# Altium PCB STB_LightBoard.PcbDoc (part 13 of 31) (continued)
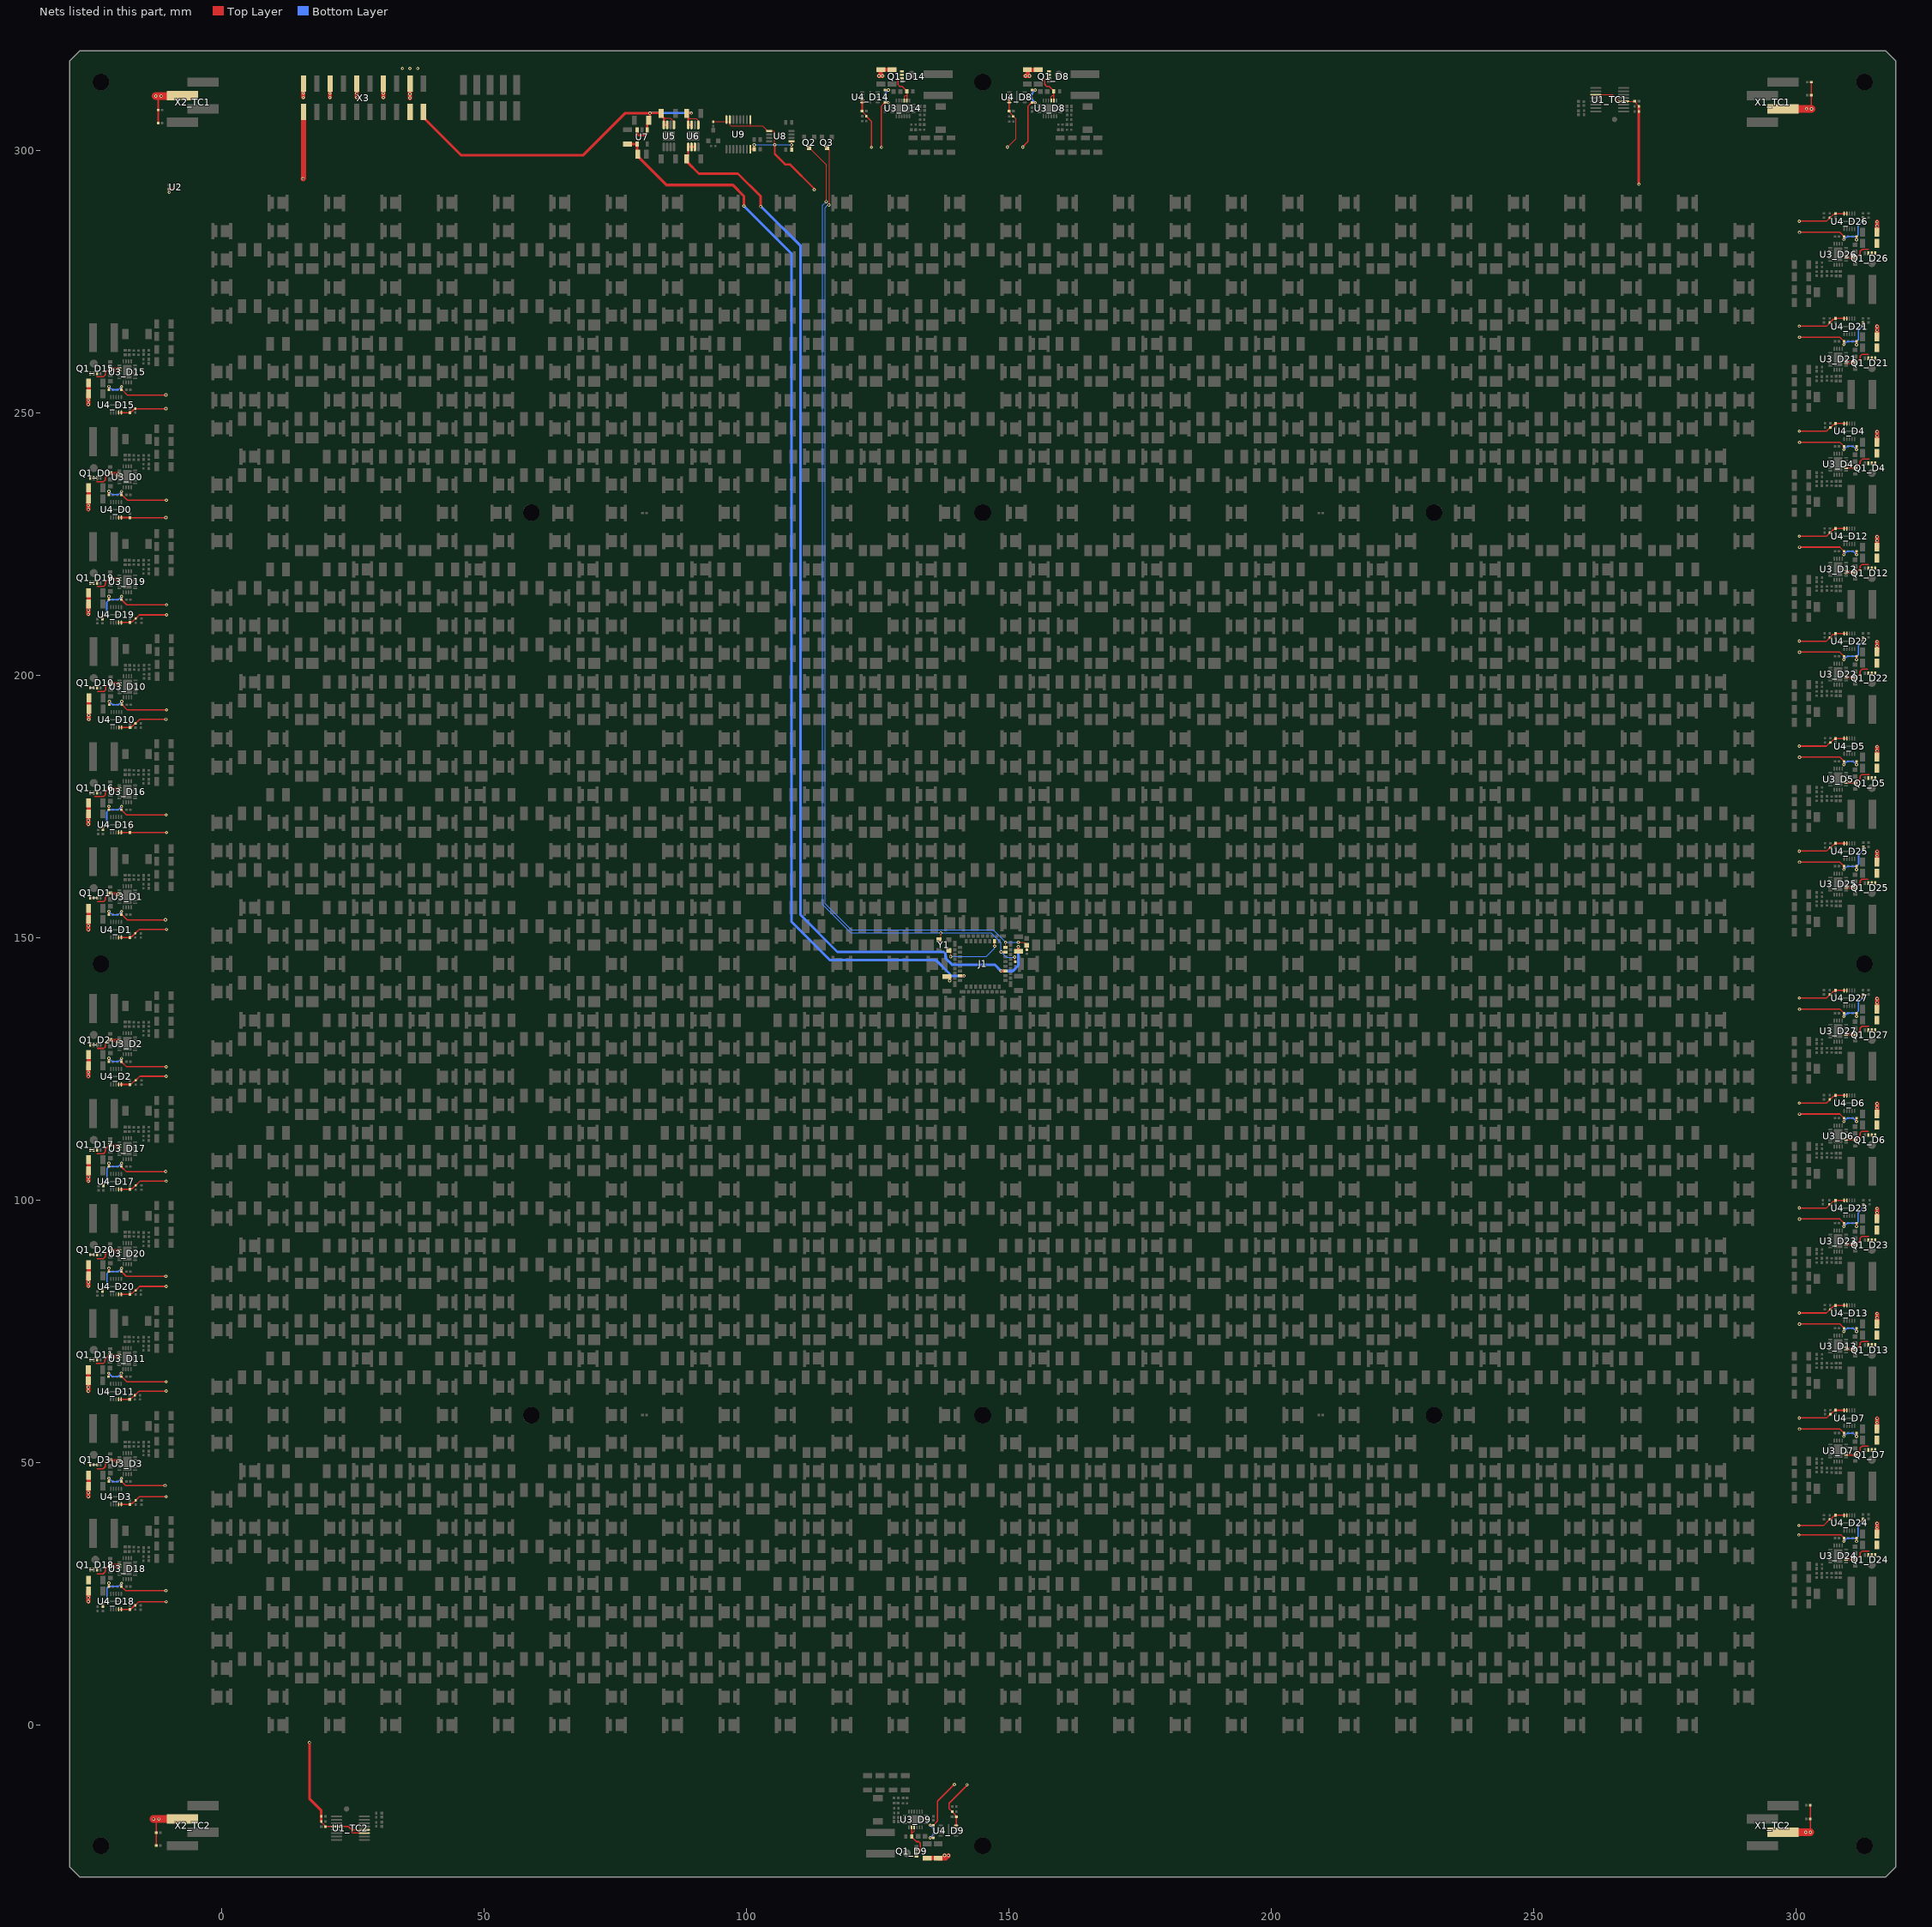
[diagram p13: the nets of this part, all layers, seen from the top]
## Part data (continued)
U7: library part CMP-0063-01102-3, "2MHz, 600mA Step-Down DC-DC Converter, 5-pin SOT-23, Pb-Free", Manufacturer="Texas Instruments", Max Input Voltage=5.5V, Max Operating Temperature=85°C, Max Output Current=1.2A, Min Input Voltage=2.7V, Min Operating Temperature=-30°C, Nominal Input Voltage=3.6V, Package Body Material=Plastic, Package Code=LSSOP, Package Equivalence Code=TSOP5/6,.11,37, Package Shape=Rectangular, Package Style="SMALL OUTLINE, LOW PROFILE, SHRINK PITCHMeter", PackageTopMarking=SLRB*XTT, Peak Reflow Temperature (Cel)=260°C, PowerWise=Y, Supplier Part Number 1=LM3674MF-1.2/NOPBDKR-ND, Switching Frequency-Max=2.6MHz, Temperature Grade=OTHER, Time @ Peak Reflow Temperature-Max (s)=40s, Analog IC - Other Type="SWITCHING REGULATOR", Category="Voltage Regulators - Switching", ComponentLink1Description="Datasheet URL", ComponentLink1URL=http://www.ti.com/general/docs/lit/getliterature.tsp?genericPartNumber=LM3674&fileType=pdf, ComponentLink2Description=https://datasheet.ciiva.com:443/pdfs/VipMasterIC/IC/NATL/NATLS08395/NATLS08395-1.pdf?src-supplier=IHS+Markit, ComponentLink2URL=https://datasheet.ciiva.com:443/pdfs/VipMasterIC/IC/NATL/NATLS08395/NATLS08395-1.pdf?src-supplier=IHS+Markit, ComponentLink3Description=https://datasheet.ciiva.com/15113/getdatasheetpartid-143703-15113141.pdf?src-supplier=Verical, ComponentLink3URL=https://datasheet.ciiva.com/15113/getdatasheetpartid-143703-15113141.pdf?src-supplier=Verical, ComponentLink4Description=https://datasheet.ciiva.com/3220/lm3674-3220103.pdf?src-supplier=Avnet, ComponentLink4URL=https://datasheet.ciiva.com/3220/lm3674-3220103.pdf?src-supplier=Avnet, ComponentLink5Description=https://datasheet.ciiva.com/28652/1882991-28652506.pdf?src-supplier=Element14, ComponentLink5URL=https://datasheet.ciiva.com/28652/1882991-28652506.pdf?src-supplier=Element14, ComponentLink6Description=https://datasheet.ciiva.com/6594/lm3674-6594229.pdf?src-supplier=Digi-Key, ComponentLink6URL=https://datasheet.ciiva.com/6594/lm3674-6594229.pdf?src-supplier=Digi-Key, CompType=MiscPower, Control Mode=VOLTAGE-MODE, Control Technique="PULSE WIDTH MODULATION", Height - Seated (Max)=1.22mm, JESD-30 Code=R-PDSO-G5, JESD-609 Code=e3, Length=2.92mm, Manufacturer Part Number=LM3674MF-1.2/NOPB, Moisture Sensitivity Level=1, Number of Functions=1, Number of Pins=5, PackageDescription="Molded SOT-23, .115 x .063 x .040 in Body, 5 Lead, .0375 in Pitch", PackageReference=DBV0005A, PinCount=5, Pricing 1="1=1.74000, 10=1.56500, 25=1.47600, 100=1.25760, 250=1.18084, 500=1.03324 (USD)", Qualification Status="Not Qualified", Reach SVHC Compliant=Yes, RoHS=Y, RoHS Compliant=Yes, Stock 1=3010, Supplier 1=Digi-Key, Surface Mount=Yes, Switcher Configuration=BUCK, Terminal Finish=Tin, Terminal Form="Gull Wing", Terminal Pitch=0.953mm, Terminal Position=DUAL, Width=1.6mm
U8: library part CMP-01310-1, "Level-Translating I2C Bus Buffer/Repeater 2-Channel Bi-Directional 0.8V to 3.6V 8-Pin VSSOP T/R", Case/Package=VSSOP, Manufacturer="Texas Instruments", Max Operating Temperature=85°C, Min Operating Temperature=-40°C, Supplier Part Number 1=296-47439-1-ND, Category="Integrated Circuits (ICs)", Channel Type=Bidirectional, ComponentLink1Description=http://www.ti.com/lit/ds/symlink/tca9800.pdf?src-supplier=Digi-Key, ComponentLink1URL=http://www.ti.com/lit/ds/symlink/tca9800.pdf?src-supplier=Digi-Key, Manufacturer Part Number=TCA9800DGKT, Mount="Surface Mount", Number of Circuits=1, Number of Outputs=2, Packaging="Cut Tape", Pricing 1="1=0.95000, 10=0.85000, 25=0.80640, 100=0.61920 (USD)", RoHS=No, Stock 1=4011, Supplier 1=Digi-Key
U9: library part CMP-04899-000065-1, "Bus Transceiver, AXC Series, 1-Func, 4-Bit, True Output, CMOS, PDSO16", Manufacturer="Texas Instruments", Supplier Part Number 1=296-SN74AXC4T774PWRDKR-ND, Category="Voltage Level Shifters", ComponentLink1Description=https://www.ti.com:443/lit/ds/symlink/sn74axc4t774.pdf?src-supplier=IHS+Markit, ComponentLink1URL=https://www.ti.com:443/lit/ds/symlink/sn74axc4t774.pdf?src-supplier=IHS+Markit, Manufacturer Part Number=SN74AXC4T774PWR, Pricing 1="1=1.36000, 10=1.21300, 25=1.15160, 100=0.94590, 250=0.88424, 500=0.78144, 1000=0.62080 (USD)", RoHS=Yes, Stock 1=4850, Supplier 1=Digi-Key
X1_TC1 X1_TC2 X2_TC1 X2_TC2: "Board Connector, 4 Contact(s), 1 Row(s), Male, Straight, 0.1 inch Pitch, Locking, Black Insulator, Plug", Contact Resistance=10mR, Dielectric Withstanding Voltage (AC)=750V, Insulation Color=Black, Insulation Resistance=5GR, Manufacturer="TE Connectivity", Manufacturer Part Number=3-647166-4, Manufacturer Series=647166, Max Operating Temperature=105°C, Min Operating Temperature=-55°C, Supplier Part Number 1=A110803-ND, Body Breadth=0.25inch, Body Depth=0.347inch, Body Length=0.4inch, Body/Shell Style=PLUG, Category=Connectors, ComponentLink1Description=https://datasheet.ciiva.com:443/pdfs/VipMasterIC/IC/TYEL/TYEL-S-A0008869674/TYEL-S-A0008865685-1.pdf?src-supplier=IHS+Markit, ComponentLink1URL=https://datasheet.ciiva.com:443/pdfs/VipMasterIC/IC/TYEL/TYEL-S-A0008869674/TYEL-S-A0008865685-1.pdf?src-supplier=IHS+Markit, ComponentLink2Description=https://datasheet.ciiva.com/16216/eng-ds-82056-mta-0608-16216388.pdf?src-supplier=Future+Electronics, ComponentLink2URL=https://datasheet.ciiva.com/16216/eng-ds-82056-mta-0608-16216388.pdf?src-supplier=Future+Electronics, ComponentLink3Description=https://datasheet.ciiva.com/9525/eng-ds-82056-mta-0608-9525559.pdf?src-supplier=Avnet, ComponentLink3URL=https://datasheet.ciiva.com/9525/eng-ds-82056-mta-0608-9525559.pdf?src-supplier=Avnet, Connector Type="BOARD CONNECTOR", Contact Finish - Mating="NOT SPECIFIED", Contact Gender=Male, Contact Pattern=RECTANGULAR, Contact Style="SQ PIN-SKT", DIN Conformance=No, Durability=25Cycles, Filter Feature=No, IEC Conformance=No, Insertion Force-Max=8.896N, Insulation Material=Nylon, JESD-609 Code=e3, Mating Contact Pitch=0.1inch, MIL Conformance=No, Mixed Contacts=No, Mount=Board, Mounting Option 1=LOCKING, Mounting Option 2="FRICTION LOCK", Mounting Style=STRAIGHT, Number Of Connectors=1, Number of Contacts=4, Number Of PCB Rows=2, Number of Rows Loaded=1, Option="General Purpose", PCB Contact Pattern=STAGGERED, PCB Contact Row Spacing=2.9972mm, Polarization Key="POLARIZED HOUSING", Pricing 1="1=2.42000, 10=2.10700, 100=1.88280, 500=1.56900, 1000=1.34485, 5000=1.19243 (USD)", Reach SVHC Compliant=Yes, Reference Standard=UL, Reliability=COMMERCIAL, RoHS=Yes, RoHS Compliant=Yes, Stock 1=3619, Supplier 1=Digi-Key, Terminal Pitch=2.54mm, Termination=SMD/SMT, Withdrawl Force-Min=3.614N
X3: library part CMP-1502-01036-1, "SMT Vertical Pin Header WR-PHD, Pitch 2.54 mm, Dual Row, 20 pins", Contact Resistance=20mOhm, Dielectric Withstanding Voltage (AC)=500V, Flammability Rating="UL94 V-0", Insulation Color=Black, Insulation Resistance=1GR, Manufacturer="Wurth Elektronik", Manufacturer Series=6100, Max Operating Temperature=125°C, Min Operating Temperature=-40°C, Operating Temperature=-40to125degC, Rated Current=3A, Supplier Part Number 1=732-5468-5-ND, Withstanding Voltage=500VAC, Working Voltage=250VAC, Body Breadth=0.2inch, Body Depth=0.142inch, Body Length=1inch, Body/Shell Style=RECEPTACLE, Category=Connectors, ComponentLink1Description=https://datasheet.ciiva.com:443/pdfs/VipMasterIC/IC/MIDC/MIDCS04347/MIDCS04347-1.pdf?src-supplier=IHS+Markit, ComponentLink1URL=https://datasheet.ciiva.com:443/pdfs/VipMasterIC/IC/MIDC/MIDCS04347/MIDCS04347-1.pdf?src-supplier=IHS+Markit, ComponentLink2Description=https://katalog.we-online.de/em/datasheet/6100xx21121.pdf?src-supplier=Digi-Key, ComponentLink2URL=https://katalog.we-online.de/em/datasheet/6100xx21121.pdf?src-supplier=Digi-Key, ComponentLink3Description=http://www.farnell.com/cad/1737271.pdf?src-supplier=Element14, ComponentLink3URL=http://www.farnell.com/cad/1737271.pdf?src-supplier=Element14, Connector Type="BOARD CONNECTOR", Contact Finish - Mating=GOLD, Contact Finish - Termination="Gold (Au) - with Nickel (Ni) barrier", Contact Gender=Male, Contact Material="Copper Alloy", Contact Pattern=RECTANGULAR, Contact Style="SQ PIN-SKT", Datasheet URL=https://katalog.we-online.de/em/datasheet/6100xx21121.pdf, DIN Conformance=No, Filter Feature=No, Gender=Male, IEC Conformance=No, Insulation Material=Polyamide, JESD-609 Code=e4, Manufacturer Part Number=61002021121, Manufacturer URL=http://www.we-online.de, Mating Contact Pitch=0.1inch, Mating Contact Row Spacing=0.1inch, MIL Conformance=No, Mixed Contacts=No, Mount=Board, Mounting Option 1=LOCKING, Mounting Style=STRAIGHT, Mounting Technology=SMT, Number Of Connectors=1, Number of Contacts=20, Number Of PCB Rows=2, Number of Rows Loaded=2, Option="General Purpose", Orientation=Vertical, Package Reference=61002021121, Packaging=Tube, Part Number=61002021121, PCB Contact Pattern=RECTANGULAR, PCB Contact Row Spacing=5.4102mm, Pin Number=20, Pitch=2.54mm, Pricing 1="1=3.72000, 10=3.15900, 24=2.63208, 48=2.19292, 96=1.99302, 192=1.81302 (USD)", Publisher=WurthElektronik, Rated Current (Signal)=3A, REACH SVHC=Yes, Reference Standard=UL, Reliability=COMMERCIAL, RoHS=Yes, RoHS Compliant=Yes, Row Number=Dual, Stock 1=578, Supplier 1=Digi-Key, Terminal Pitch=2.54mm, Termination=SMD/SMT
X4: library part CMP-1707-00003-3, "Male Header, Pitch 2.54 mm, 2 x 5 Position, Height 9.65 mm, -55 to 105 degC, RoHS, Tape and Reel", Insulation Color=Black, Manufacturer=Samtec, Manufacturer Series=TSM, Max Operating Temperature="105 degC", Min Operating Temperature="-55 degC", Supplier Part Number 1=SAM15490DKR-ND, Body Breadth=0.2inch, Body/Shell Style=RECEPTACLE, Category="Headers and Wire Housings", ComponentLink1Description="Manufacturer URL", ComponentLink1URL=http://www.samtec.com/, ComponentLink2Description=Datasheet, ComponentLink2URL=http://suddendocs.samtec.com/catalog_english/tsm.pdf, ComponentLink3Description="Package Specification", ComponentLink3URL=http://suddendocs.samtec.com/prints/tsm-dv-footprint.pdf, ComponentLink4Description=https://datasheet.ciiva.com:443/pdfs/VipMasterIC/IC/SAMI/SAMI-S-A0001470581/SAMI-S-A0001470581-1.pdf?src-supplier=IHS+Markit, ComponentLink4URL=https://datasheet.ciiva.com:443/pdfs/VipMasterIC/IC/SAMI/SAMI-S-A0001470581/SAMI-S-A0001470581-1.pdf?src-supplier=IHS+Markit, ComponentLink5Description=http://www.farnell.com/datasheets/2186767.pdf?src-supplier=Farnell, ComponentLink5URL=http://www.farnell.com/datasheets/2186767.pdf?src-supplier=Farnell, ComponentLink6Description=http://components.arrow.com/part/dataview/2684870S6011475N1004?src-supplier=Arrow+Electronics, ComponentLink6URL=http://components.arrow.com/part/dataview/2684870S6011475N1004?src-supplier=Arrow+Electronics, ComponentLink7Description=http://suddendocs.samtec.com/prints/tsm-1xx-xx-xxx-xx-x-xxx-x-mkt.pdf?src-supplier=Digi-Key, ComponentLink7URL=http://suddendocs.samtec.com/prints/tsm-1xx-xx-xxx-xx-x-xxx-x-mkt.pdf?src-supplier=Digi-Key, ComponentLink8Description=http://www.samtec.com/documents/webfiles/pdf/TSM.PDF?src-supplier=Avnet, ComponentLink8URL=http://www.samtec.com/documents/webfiles/pdf/TSM.PDF?src-supplier=Avnet, Connector Type="BOARD CONNECTOR", Contact Finish - Mating="MATTE TIN OVER NICKEL (50)", Contact Finish - Termination="Tin (Sn) - with Nickel (Ni) barrier", Contact Gender=Male, Contact Material=Bronze, Contact Pattern=RECTANGULAR, Contact Style="SQ PIN-SKT", DatasheetVersion="Rev. 31DEC15", DIN Conformance=No, Filter Feature=No, Height="9.65 mm", IEC Conformance=No, Insulation Material=Polymer, JESD-609 Code=e3, Length="12.7 mm", Manufacturer Part Number=TSM-105-01-T-DV-TR, Mating Contact Pitch=0.1inch, Mating Contact Row Spacing=0.1inch, Mating Information="MULTIPLE MATING PARTS AVAILABLE", MIL Conformance=No, Mixed Contacts=No, Mount="Surface Mount", Mounting Option 1=LOCKING, Mounting Style=STRAIGHT, Mounting Technology="Surface Mount", Number Of Connectors=1, Number of Contacts=10, Number Of PCB Rows=2, Number of Rows Loaded=2, Option="General Purpose", PackageDescription="Male Header, Pitch 2.54 mm, 2 x 5 Position, Height 9.65 mm", Packaging="Tape and Reel", PartNumber=TSM-105-01-T-DV-TR, PCB Contact Pattern=RECTANGULAR, Pins=10, Pricing 1="1=1.29000, 10=1.08900, 100=0.97770 (USD)", Radiation Hardening=No, REACH SVHC="No SVHC", Reach SVHC Compliant=Yes, Reference Standard=UL, Reliability=COMMERCIAL, RoHS=Yes, RoHS Compliant=Yes, RoHSCompliant=True, Stock 1=302, Supplier 1=Digi-Key, Terminal Pitch=2.54mm, Termination=SMD/SMT
Y1: library part CMP-27762-000017-1, "MEMS OSC XO 25.0000MHZ CMOS SMD", Frequency=25MHz, Load Capacitance=15pF, Manufacturer=Abracon, Max Junction Temp=+150°C, Max Operating Temperature=85°C, Max Supply Current=15mA, Max Supply Voltage=3.3V, Min Operating Temperature=-40°C, Min Supply Voltage=1.8V, Operating Frequency-Max=150kHz, Operating Frequency-Min=1kHz, Operating Frequency-Nom=250, Package=ASEMB, Package Body Material=Plastic, Power Supplies=1.8/3.3V, Supplier Part Number 1=535-11750-6-ND, Temperature="-40°C to +85°C", Temperature Range High=+85°C, Automotive=No, Category=Crys, ComponentLink1Description=https://datasheet.ciiva.com:443/pdfs/VipMasterIC/IC/ABRC/ABRCS03128/ABRCS03128-1.pdf?src-supplier=IHS+Markit, ComponentLink1URL=https://datasheet.ciiva.com:443/pdfs/VipMasterIC/IC/ABRC/ABRCS03128/ABRCS03128-1.pdf?src-supplier=IHS+Markit, ComponentLink2Description=Datasheet, ComponentLink2URL=https://abracon.com/Oscillators/ASEMB.pdf, ComponentLink3Description=https://datasheet.ciiva.com/868/asemb-868320.pdf?src-supplier=Digi-Key, ComponentLink3URL=https://datasheet.ciiva.com/868/asemb-868320.pdf?src-supplier=Digi-Key, ComponentLink4Description=https://datasheet.ciiva.com/868/asemb-868318.pdf?src-supplier=Digi-Key, ComponentLink4URL=https://datasheet.ciiva.com/868/asemb-868318.pdf?src-supplier=Digi-Key, ComponentLink5Description=https://datasheet.ciiva.com/868/asemb-868319.pdf?src-supplier=Digi-Key, ComponentLink5URL=https://datasheet.ciiva.com/868/asemb-868319.pdf?src-supplier=Digi-Key, Device Class L1="Passive Components", Device Class L2="Crystals / Oscillators", Device Class L3=Oscillators, Digikey Description="MEMS OSC XO 25.0000MHZ CMOS SMD", Footprint Url=https://abracon.com/Support/PackageDrawing/Oscillators/ASEMB.PDF, Height=0.9mm, JESD-609 Code=e4, Lead Free=Yes, Manufacturer Part Number=ASEMB-25.000MHZ-LC-T, Mount="Surface Mount", Mouser Description="Standard Clock Oscillators 25.000MHZ 50ppm -40 + 85C", Number of Pins=4, Octopart=https://octopart.com/asemb-25.000mhz-lc-t-abracon-21704580, Pricing 1="1=2.48000, 10=2.41800, 50=2.30280, 100=2.01500, 500=1.95738 (USD)", Qualification Status="Not Qualified", Reach SVHC Compliant=Yes, RoHS=TRUE, RoHS Compliant=Yes, Series=ASEMB, Stability=50ppm, Stock 1=1318, Supplier 1=Digi-Key, Technology=CMOS, Temperature Range Low=-40°C, Terminal Finish=Nickel

## Free pads (board coordinates)
  round 3.2 hole 3.2 unplated: 6(-23,-23) 6(-23,145) 6(-23,313) 6(59,59) 6(59,231) 6(145,59) 6(145,231) 6(145,-23) 6(145,313) 6(231,59) 6(231,231) 6(313,-23) 6(313,145) 6(313,313)

## Via types
v1: diameter 0.604, hole 0.3, Top Layer to Bottom Layer, tented both sides, 2553 vias

## Nets (pads, with @x,y where several pads share a name; then routed paths per layer and width w, separated by ;. In a path a pad name is that pad's centre, name@x,y a point inside that pad or via, vN(x,y) a via of type N, cw(c..) or ccw(c..) an arc to the next point about the centre after c; other vN are vias at no path point)
3V3: C1_TC1.2 C1_TC2.2 C4.2 C14_D0.2 C14_D1.2 C14_D2.2 C14_D3.2 C14_D4.2 C14_D5.2 C14_D6.2 C14_D7.2 C14_D8.2 C14_D9.2 C14_D10.2 C14_D11.2 C14_D12.2 C14_D13.2 C14_D14.2 C14_D15.2 C14_D16.2 C14_D17.2 C14_D18.2 C14_D19.2 C14_D20.2 C14_D21.2 C14_D22.2 C14_D23.2 C14_D24.2 C14_D25.2 C14_D26.2 C14_D27.2 C24.1 C30.1 R1.2 R2.2 R3.2 R6.2 R7.2 R8.2 R12.2 R13.2 R14.2 R15.2 R20.2 R22.2 R23.2 R24.2 R28.2 R29.2 R30.2 R31.2 R36.2 R37.2 R40.2 R42.2 R48_TC1.2 R48_TC2.2 R49_TC1.2 R49_TC2.2 R56_D0.2 R56_D1.2 R56_D2.2 R56_D3.2 R56_D4.2 R56_D5.2 R56_D6.2 R56_D7.2 R56_D8.2 R56_D9.2 R56_D10.2 R56_D11.2 R56_D12.2 R56_D13.2 R56_D14.2 R56_D15.2 R56_D16.2 R56_D17.2 R56_D18.2 R56_D19.2 R56_D20.2 R56_D21.2 R56_D22.2 R56_D23.2 R56_D24.2 R56_D25.2 R56_D26.2 R56_D27.2 R57_D0.2 R57_D1.2 R57_D2.2 R57_D3.2 R57_D4.2 R57_D5.2 R57_D6.2 R57_D7.2 R57_D8.2 R57_D9.2 R57_D10.2 R57_D11.2 R57_D12.2 R57_D13.2 R57_D14.2 R57_D15.2 R57_D16.2 R57_D17.2 R57_D18.2 R57_D19.2 R57_D20.2 R57_D21.2 R57_D22.2 R57_D23.2 R57_D24.2 R57_D25.2 R57_D26.2 R57_D27.2 R61.2 R62.2 R65.2 R66.2 R69.2 R70.2 R71.2 R72.2 R77.2 R78.2 R79.2 R80.2 R85.2 R87.2 R89.2 R91.2 R95.1 U1_TC1.3 U1_TC1.12 U1_TC2.3 U1_TC2.4 U1_TC2.12 U2.A1 U4_D0.4 U4_D0.5 U4_D1.4 U4_D1.5 U4_D2.4 U4_D2.5 U4_D3.4 U4_D3.5 U4_D4.4 U4_D4.5 U4_D5.4 U4_D5.5 U4_D6.4 U4_D6.5 U4_D7.4 U4_D7.5 U4_D8.4 U4_D8.5 U4_D9.4 U4_D9.5 U4_D10.4 U4_D10.5 U4_D11.4 U4_D11.5 U4_D12.4 U4_D12.5 U4_D13.4 U4_D13.5 U4_D14.4 U4_D14.5 U4_D15.4 U4_D15.5 U4_D16.4 U4_D16.5 U4_D17.4 U4_D17.5 U4_D18.4 U4_D18.5 U4_D19.4 U4_D19.5 U4_D20.4 U4_D20.5 U4_D21.4 U4_D21.5 U4_D22.4 U4_D22.5 U4_D23.4 U4_D23.5 U4_D24.4 U4_D24.5 U4_D25.4 U4_D25.5 U4_D26.4 U4_D26.5 U4_D27.4 U4_D27.5 U8.1 U8.5 U9.1 U9.7 U9.8 U9.16 X3.1 | length 796.5
  Top Layer w0.152: U9.7@96.719,305.45 96.825,305.556 U9.7@96.825,305.875 ; U8.1@103.801,303.897 103.801,303.849 103.95,303.7 U8.1@104.3,303.7
  Top Layer w0.2: C4.2@-10.002,292.622 -10.001,292.621 -10.001,292.001 v1(-10,292) ; C4.2@-9.976,292.604 -10.002,292.63 -9.842,292.79 -9.02,292.79 U2.A1@-9.016,292.794 ; R48_TC2.2@18.972,-18.385 18.978,-18.391 19.097,-18.51 19.097,-18.585 19.352,-18.84 19.361,-18.84 19.577,-19.055 19.577,-19.192 19.737,-19.352 C1_TC2.2@19.757,-19.352 ; R95.1@93.65,305.45 U9.7@96.719,305.45 ; U9.7@96.825,305.556 96.825,304.875 97.06,304.64 100.725,304.64 ; U9.16@100.725,300.225 101.425,300.225 C30.1@101.45,300.25 v1(101.45,301.05) ; U9.1@100.725,305.875 100.725,304.64 ; U8.1@103.801,303.897 103.058,304.64 100.725,304.64 ; U8.1@104.3,303.7 105.15,303.7 105.375,303.475 v1(105.375,301.075) ; U8.5@108.55,301.75 108.55,300.175 C24.1@108.6,300.125 ; 122.043,307.775 122.043,307.376 122.179,307.376 122.215,307.34 122.215,307.204 122.701,306.718 122.701,306.643 R20.2@122.826,306.518 ; v1(149.702,300.625) 151.333,302.255 151.333,305.995 150.847,306.481 R36.2@150.822,306.481 150.797,306.481 150.672,306.606 150.672,306.746 150.215,307.204 150.215,307.34 150.055,307.5 C14_D8.2@150.035,307.5 ; U1_TC1.3@261.815,310.608 264.97,310.608 266.24,309.338 U1_TC1.12@267.115,309.338 267.121,309.345 269.27,309.345 269.423,309.192 269.423,308.996 269.705,308.714 269.705,308.708 R48_TC1.2@270.028,308.385
  Top Layer w0.254: R66.2@-22.7,82.6 v1(-22.7,83.2) ; R65.2@-22.7,210.7 v1(-22.7,211.4) ; R6.2@-22.655,22.54 v1(-22.655,23.155) ; R7.2@-22.622,170.538 v1(-22.622,171.078) ; R8.2@-22.553,102.669 v1(-22.553,103.247) ; R56_D11.2@-21.542,66.389 -21.533,66.398 -21.533,67.009 v1(-21.524,67.018) ; R56_D18.2@-21.5,26.389 -21.491,26.398 -21.491,27.009 v1(-21.482,27.018) ; R56_D3.2@-21.5,46.389 -21.491,46.398 -21.491,47.009 v1(-21.482,47.018) ; R56_D20.2@-21.5,86.389 -21.491,86.398 -21.491,87.009 v1(-21.482,87.018) ; R56_D17.2@-21.5,106.389 -21.491,106.398 -21.491,107.009 v1(-21.482,107.018) ; R56_D2.2@-21.5,126.389 -21.491,126.398 -21.491,127.009 v1(-21.482,127.018) ; R56_D1.2@-21.5,154.389 -21.491,154.398 -21.491,155.009 v1(-21.482,155.018) ; R56_D16.2@-21.5,174.389 -21.491,174.398 -21.491,175.009 v1(-21.482,175.018) ; R56_D19.2@-21.5,214.389 -21.491,214.398 -21.491,215.009 v1(-21.482,215.018) ; R56_D0.2@-21.5,234.389 -21.491,234.398 -21.491,235.009 v1(-21.482,235.018) ; R56_D15.2@-21.5,254.389 -21.491,254.398 -21.491,255.009 v1(-21.482,255.018) ; R56_D10.2@-21.442,194.389 -21.433,194.398 -21.433,195.009 v1(-21.424,195.018) ; U4_D11.4@-19.667,62.05 -19.667,62.044 -19.665,62.043 -17.549,62.043 C14_D11.2@-17.542,62.035 -17.542,62.055 -17.409,62.188 -17.316,62.188 -17.248,62.256 -17.166,62.256 -16.7,62.722 -16.632,62.722 R14.2@-16.534,62.82 -15.733,63.621 v1(-10.592,63.621) ; U4_D18.4@-19.625,22.05 -19.625,22.045 -19.623,22.042 -17.508,22.042 C14_D18.2@-17.5,22.035 -17.5,22.055 -17.367,22.188 -17.192,22.188 -16.566,22.815 R1.2@-16.566,22.821 ; U4_D3.4@-19.625,42.05 -19.625,42.044 -19.623,42.043 -17.508,42.043 C14_D3.2@-17.5,42.035 ; U4_D20.4@-19.625,82.05 -19.625,82.045 -19.623,82.043 -17.508,82.043 C14_D20.2@-17.5,82.035 ; U4_D17.4@-19.625,102.05 -19.625,102.045 -19.623,102.042 -17.508,102.042 C14_D17.2@-17.5,102.035 ; U4_D2.4@-19.625,122.05 -19.625,122.044 -19.623,122.042 -17.508,122.042 C14_D2.2@-17.5,122.035 -17.5,122.055 -17.367,122.188 -17.151,122.188 R24.2@-16.553,122.786 ; U4_D1.4@-19.625,150.05 -19.625,150.045 -19.623,150.042 -17.508,150.042 C14_D1.2@-17.5,150.035 -17.5,150.055 -17.367,150.188 -17.113,150.188 -16.964,150.337 -16.964,150.363 -16.801,150.527 -16.752,150.527 -16.558,150.721 -16.558,150.725 -16.464,150.819 R23.2@-16.46,150.819 ; U4_D16.4@-19.625,170.05 -19.625,170.044 -19.623,170.042 v1(-10.508,170.042) v1@-10.443,170.042 ; U4_D19.4@-19.625,210.05 -19.625,210.045 -19.623,210.043 -17.508,210.043 C14_D19.2@-17.508,210.047 ; U4_D0.4@-19.625,230.05 -19.625,230.045 -19.623,230.042 -17.508,230.042 C14_D0.2@-17.5,230.035 v1(-10.635,230.035) ; U4_D15.4@-19.625,250.05 -19.625,250.044 -19.623,250.042 -17.508,250.042 C14_D15.2@-17.5,250.035 -17.5,250.055 -17.367,250.188 -17.192,250.188 -16.723,250.658 R2.2@-16.553,250.658 ; U4_D10.4@-19.567,190.05 -19.567,190.044 -19.565,190.043 -17.45,190.043 C14_D10.2@-17.442,190.035 -17.442,190.055 -17.309,190.188 -17.124,190.188 -16.597,190.715 -16.514,190.715 R13.2@-16.416,190.813 -15.631,191.599 -10.645,191.599 v1(-10.619,191.625) ; v1(-19.131,67.001) -19.149,66.983 -19.149,66.407 R57_D11.2@-19.167,66.389 -19.069,66.291 -18.958,66.291 -18.067,65.4 v1(-10.6,65.4) ; R57_D20.2@-19.125,86.389 -19.107,86.407 -19.107,86.983 v1(-19.089,87.001) ; R57_D2.2@-19.125,126.378 -19.09,126.378 -19.002,126.291 -19.002,126.255 -18.147,125.4 v1(-10.6,125.4) ; R57_D2.2@-19.125,126.389 -19.107,126.407 -19.107,126.983 v1(-19.089,127.001) ; R57_D16.2@-19.125,174.382 -19.093,174.382 -19.002,174.291 -19.002,174.259 -18.143,173.4 v1(-10.6,173.4) ; R57_D16.2@-19.125,174.389 -19.107,174.407 -19.107,174.983 v1(-19.089,175.001) ; R57_D15.2@-19.125,254.389 -19.107,254.407 -19.107,254.983 v1(-19.089,255.001) ; R57_D20.2@-19.1,86.389 -18.198,85.487 v1(-10.638,85.487) ; R57_D15.2@-19.1,254.389 -19.002,254.291 -18.897,254.291 -18.006,253.4 -10.648,253.4 v1(-10.641,253.407) ; v1(-19.089,27.001) -19.107,26.983 -19.107,26.396 -18.304,25.593 -10.636,25.593 v1(-10.617,25.612) ; v1(-19.089,47.001) -19.107,46.983 -19.107,46.407 R57_D3.2@-19.125,46.389 -19.1,46.389 -18.764,46.052 -18.752,46.052 -18.3,45.6 v1(-10.8,45.6) ; v1(-19.089,107.001) -19.107,106.983 -19.107,106.407 R57_D17.2@-19.125,106.389 -19.1,106.389 -19.002,106.291 -19.002,106.24 -18.21,105.447 v1(-10.647,105.447) ; v1(-19.089,155.001) -19.107,154.983 -19.107,154.501 -17.992,153.386 v1@-10.714,153.386 ; v1(-19.089,215.001) -19.107,214.983 -19.107,214.407 R57_D19.2@-19.125,214.389 -19.1,214.389 -18.111,213.4 v1(-10.508,213.4) ; v1(-19.089,235.001) -19.107,234.983 -19.107,234.407 R57_D0.2@-19.125,234.389 -19.027,234.291 -18.933,234.291 -18.018,233.377 -10.553,233.377 v1(-10.53,233.354) ; v1(-19.031,195.001) -19.049,194.983 -19.049,194.407 R57_D10.2@-19.067,194.389 -18.969,194.291 -18.897,194.291 -17.983,193.377 -10.531,193.377 v1(-10.508,193.4) ; C14_D3.2@-17.5,42.055 -17.367,42.188 -17.057,42.188 -16.741,42.504 -16.647,42.504 -16.498,42.653 -16.498,42.702 R22.2@-16.4,42.8 -15.7,43.5 v1(-10.6,43.5) ; C14_D20.2@-17.5,82.055 -17.367,82.188 -17.093,82.188 -16.579,82.702 -16.498,82.702 -16.412,82.788 R62.2@-16.412,82.812 ; C14_D17.2@-17.5,102.055 -17.367,102.188 -17.061,102.188 -16.547,102.702 -16.498,102.702 R3.2@-16.4,102.8 -15.6,103.6 v1(-10.6,103.6) ; C14_D19.2@-17.5,210.035 -17.5,210.042 -17.367,210.175 -17.053,210.175 -16.904,210.324 -16.904,210.341 -16.741,210.504 -16.708,210.504 R61.2@-16.51,210.702 ; R23.2@-16.46,150.823 -15.683,151.6 v1(-10.508,151.6) ; R2.2@-16.455,250.781 -16.449,250.787 -10.621,250.787 v1(-10.615,250.793) ; R1.2@-16.454,22.804 -15.758,23.5 v1(-10.6,23.5) ; R62.2@-16.4,82.8 -15.636,83.564 v1(-10.6,83.564) ; R24.2@-16.4,122.8 -15.6,123.6 v1(-10.6,123.6) ; R61.2@-16.4,210.8 -15.7,211.5 v1(-10.508,211.5) ; C1_TC2.2@19.757,-19.352 19.764,-19.345 21.879,-19.345 U1_TC2.12@21.885,-19.338 24.138,-19.338 24.8,-20 ; U1_TC2.4@26.8,-20 24.8,-20 ; U1_TC2.3@27.185,-20.608 27.167,-20.59 24.949,-20.59 24.8,-20.441 24.8,-20 ; 122.043,307.775 122.043,309.623 122.045,309.625 U4_D14.4@122.05,309.625 ; R20.2@122.826,306.518 123.8,305.544 v1(123.8,300.6) ; v1@125.706,300.606 125.706,308.457 126.251,309.002 126.291,309.002 126.374,309.086 R57_D14.2@126.374,309.125 ; R56_D14.2@126.389,311.5 126.398,311.491 127.009,311.491 v1(127.018,311.482) ; R57_D14.2@126.396,309.107 126.983,309.107 v1(127.001,309.089) ; v1(134.982,-21.482) 134.991,-21.491 135.602,-21.491 R56_D9.2@135.611,-21.5 ; v1(134.999,-19.089) 135.017,-19.107 135.604,-19.107 136.4,-18.311 136.4,-14.5 139.581,-11.319 v1(139.597,-11.319) ; U4_D9.4@139.95,-19.625 139.956,-19.625 139.957,-19.623 139.957,-17.338 139.476,-16.857 139.476,-16.848 139.278,-16.65 139.278,-16.608 R37.2@139.18,-16.51 138.6,-15.93 138.6,-14.9 142,-11.5 v1(142,-11.4) ; C14_D8.2@150.035,307.5 150.043,307.508 150.043,309.623 150.044,309.625 U4_D8.4@150.05,309.625 ; v1(152.649,300.644) 152.649,300.688 153.594,301.633 153.594,308.375 154.031,308.812 154.031,308.847 154.186,309.002 154.291,309.002 154.389,309.1 R57_D8.2@154.389,309.125 154.407,309.107 154.983,309.107 v1(155.001,309.089) ; R56_D8.2@154.389,311.5 154.398,311.491 155.009,311.491 v1(155.018,311.482) ; v1(300.5,38.01) 300.51,38 305.2,38 306.4,39.2 R69.2@306.4,39.225 ; v1@300.507,36.193 308.567,36.193 309.002,35.758 309.002,35.709 309.076,35.635 R57_D24.2@309.125,35.635 ; v1(300.6,58.5) 305.758,58.5 R28.2@306.454,59.196 ; v1(300.6,78.5) 305.758,78.5 R12.2@306.454,79.196 ; v1(300.6,98.5) 305.758,98.5 307.07,99.812 307.367,99.812 307.507,99.952 307.507,99.957 309.623,99.957 309.625,99.956 U4_D23.4@309.625,99.95 ; v1(300.6,118.5) 305.758,118.5 307.07,119.812 307.367,119.812 307.5,119.945 C14_D6.2@307.5,119.965 307.507,119.958 309.623,119.958 309.625,119.956 U4_D6.4@309.625,119.95 ; v1(300.6,138.5) 305.758,138.5 306.454,139.196 306.454,139.254 306.498,139.298 306.604,139.298 307.118,139.812 307.367,139.812 307.5,139.945 C14_D27.2@307.5,139.965 307.507,139.958 309.623,139.958 309.625,139.955 U4_D27.4@309.625,139.95 ; v1(300.6,166.5) 305.758,166.5 306.454,167.196 306.496,167.196 R40.2@306.5,167.2 306.598,167.298 306.678,167.298 307.192,167.812 307.367,167.812 307.507,167.952 307.507,167.957 309.623,167.957 309.625,167.955 U4_D25.4@309.625,167.95 ; v1(300.6,186.5) 305.758,186.5 306.454,187.196 306.496,187.196 R30.2@306.5,187.2 306.598,187.298 306.661,187.298 307.175,187.812 307.367,187.812 307.507,187.952 307.507,187.957 309.623,187.957 309.625,187.955 U4_D5.4@309.625,187.95 ; v1(300.6,206.5) 305.758,206.5 R71.2@306.454,207.196 ; v1(300.6,226.5) 305.758,226.5 306.454,227.196 R15.2@306.454,227.199 ; v1(300.6,246.5) 305.758,246.5 306.333,247.075 306.42,247.075 306.522,247.178 307.157,247.812 307.367,247.812 307.5,247.945 C14_D4.2@307.5,247.965 307.507,247.958 309.623,247.958 309.625,247.956 U4_D4.4@309.625,247.95 ; v1(300.6,266.5) 305.758,266.5 R70.2@306.454,267.196 ; v1(300.6,286.5) 305.758,286.5 R85.2@306.454,287.196 ; v1@300.636,56.407 308.304,56.407 R57_D7.2@309.107,55.604 ; v1@300.636,76.407 308.304,76.407 R57_D13.2@309.107,75.604 ; v1@300.636,96.407 308.304,96.407 R57_D23.2@309.107,95.604 ; v1@300.636,116.407 308.304,116.407 R57_D6.2@309.107,115.604 ; v1@300.636,136.407 308.304,136.407 R57_D27.2@309.107,135.604 ; v1@300.636,164.407 308.304,164.407 R57_D25.2@309.107,163.604 ; v1@300.636,184.407 308.304,184.407 R57_D5.2@309.107,183.604 ; v1@300.636,204.407 308.304,204.407 R57_D22.2@309.107,203.604 ; v1@300.636,224.407 308.304,224.407 R57_D12.2@309.107,223.604 ; v1@300.636,244.407 308.304,244.407 R57_D4.2@309.107,243.604 ; v1@300.636,264.407 308.304,264.407 R57_D21.2@309.107,263.604 ; v1@300.636,284.407 308.304,284.407 R57_D26.2@309.107,283.604 ; R71.2@306.4,207.2 306.498,207.298 306.538,207.298 306.736,207.496 306.741,207.496 307.057,207.812 307.367,207.812 307.507,207.952 307.507,207.957 309.623,207.957 309.625,207.956 U4_D22.4@309.625,207.95 ; R70.2@306.4,267.2 306.498,267.298 306.543,267.298 307.057,267.812 307.367,267.812 307.5,267.945 C14_D21.2@307.5,267.965 307.507,267.958 309.623,267.958 309.625,267.955 U4_D21.4@309.625,267.95 ; R85.2@306.4,287.2 R85.2@306.492,287.292 ; R15.2@306.428,227.173 R15.2@306.454,227.199 ; R12.2@306.468,79.185 306.566,79.283 306.61,79.283 307.14,79.812 307.367,79.812 307.507,79.952 307.507,79.957 309.623,79.957 309.625,79.956 U4_D13.4@309.625,79.95 ; R85.2@306.492,287.18 R85.2@306.492,287.292 ; R69.2@306.498,39.348 306.704,39.348 307.168,39.812 307.367,39.812 307.507,39.952 307.507,39.958 309.623,39.958 309.625,39.955 U4_D24.4@309.625,39.95 ; R28.2@306.5,59.2 306.598,59.298 306.643,59.298 307.157,59.812 307.367,59.812 307.5,59.945 C14_D7.2@307.5,59.965 307.507,59.958 309.623,59.958 309.625,59.955 U4_D7.4@309.625,59.95 ; v1(309.089,34.999) 309.107,35.017 309.107,35.593 R57_D24.2@309.125,35.611 ; v1(309.089,54.999) 309.107,55.017 309.107,55.593 R57_D7.2@309.125,55.611 ; v1(309.089,74.999) 309.107,75.017 309.107,75.593 R57_D13.2@309.125,75.611 ; v1(309.089,94.999) 309.107,95.017 309.107,95.593 R57_D23.2@309.125,95.611 ; v1(309.089,114.999) 309.107,115.017 309.107,115.593 R57_D6.2@309.125,115.611 ; v1(309.089,134.999) 309.107,135.017 309.107,135.593 R57_D27.2@309.125,135.611 ; v1(309.089,162.999) 309.107,163.017 309.107,163.593 R57_D25.2@309.125,163.611 ; v1(309.089,182.999) 309.107,183.017 309.107,183.593 R57_D5.2@309.125,183.611 ; v1(309.089,202.999) 309.107,203.017 309.107,203.593 R57_D22.2@309.125,203.611 ; v1(309.089,222.999) 309.107,223.017 309.107,223.593 R57_D12.2@309.125,223.611 ; v1(309.089,242.999) 309.107,243.017 309.107,243.593 R57_D4.2@309.125,243.611 ; v1(309.089,262.999) 309.107,263.017 309.107,263.593 R57_D21.2@309.125,263.611 ; v1(309.089,282.999) 309.107,283.017 309.107,283.593 R57_D26.2@309.125,283.611 ; U4_D12.4@309.625,227.95 309.625,227.956 309.623,227.957 307.507,227.957 C14_D12.2@307.5,227.965 307.5,227.945 307.367,227.812 307.137,227.812 306.596,227.271 306.526,227.271 R15.2@306.454,227.199 ; U4_D26.4@309.625,287.95 309.625,287.955 309.623,287.958 307.507,287.958 C14_D26.2@307.5,287.965 307.5,287.945 307.367,287.812 307.124,287.812 306.61,287.298 306.498,287.298 R85.2@306.492,287.292 ; v1(311.482,34.982) 311.491,34.991 311.491,35.602 R56_D24.2@311.5,35.611 ; v1(311.482,54.982) 311.491,54.991 311.491,55.602 R56_D7.2@311.5,55.611 ; v1(311.482,74.982) 311.491,74.991 311.491,75.602 R56_D13.2@311.5,75.611 ; v1(311.482,94.982) 311.491,94.991 311.491,95.602 R56_D23.2@311.5,95.611 ; v1(311.482,114.982) 311.491,114.991 311.491,115.602 R56_D6.2@311.5,115.611 ; v1(311.482,134.982) 311.491,134.991 311.491,135.602 R56_D27.2@311.5,135.611 ; v1(311.482,162.982) 311.491,162.991 311.491,163.602 R56_D25.2@311.5,163.611 ; v1(311.482,182.982) 311.491,182.991 311.491,183.602 R56_D5.2@311.5,183.611 ; v1(311.482,202.982) 311.491,202.991 311.491,203.602 R56_D22.2@311.5,203.611 ; v1(311.482,222.982) 311.491,222.991 311.491,223.602 R56_D12.2@311.5,223.611 ; v1(311.482,242.982) 311.491,242.991 311.491,243.602 R56_D4.2@311.5,243.611 ; v1(311.482,262.982) 311.491,262.991 311.491,263.602 R56_D21.2@311.5,263.611 ; v1(311.482,282.982) 311.491,282.991 311.491,283.602 R56_D26.2@311.5,283.611 ; v1(312.7,38.8) R77.2@312.7,39.3 ; v1(312.7,138.6) R91.2@312.7,139.2 ; v1(312.7,206.5) R79.2@312.7,207.2 ; v1(312.7,266.6) R78.2@312.7,267.2 ; v1(312.7,286.6) R87.2@312.7,287.2 ; R80.2@312.8,99.2 312.809,99.191 312.809,98.599 v1(312.818,98.59) ; v1(312.8,166.7) R42.2@312.8,167.3